# KiCad board poly_kb_wave_left.kicad_pcb (continued)
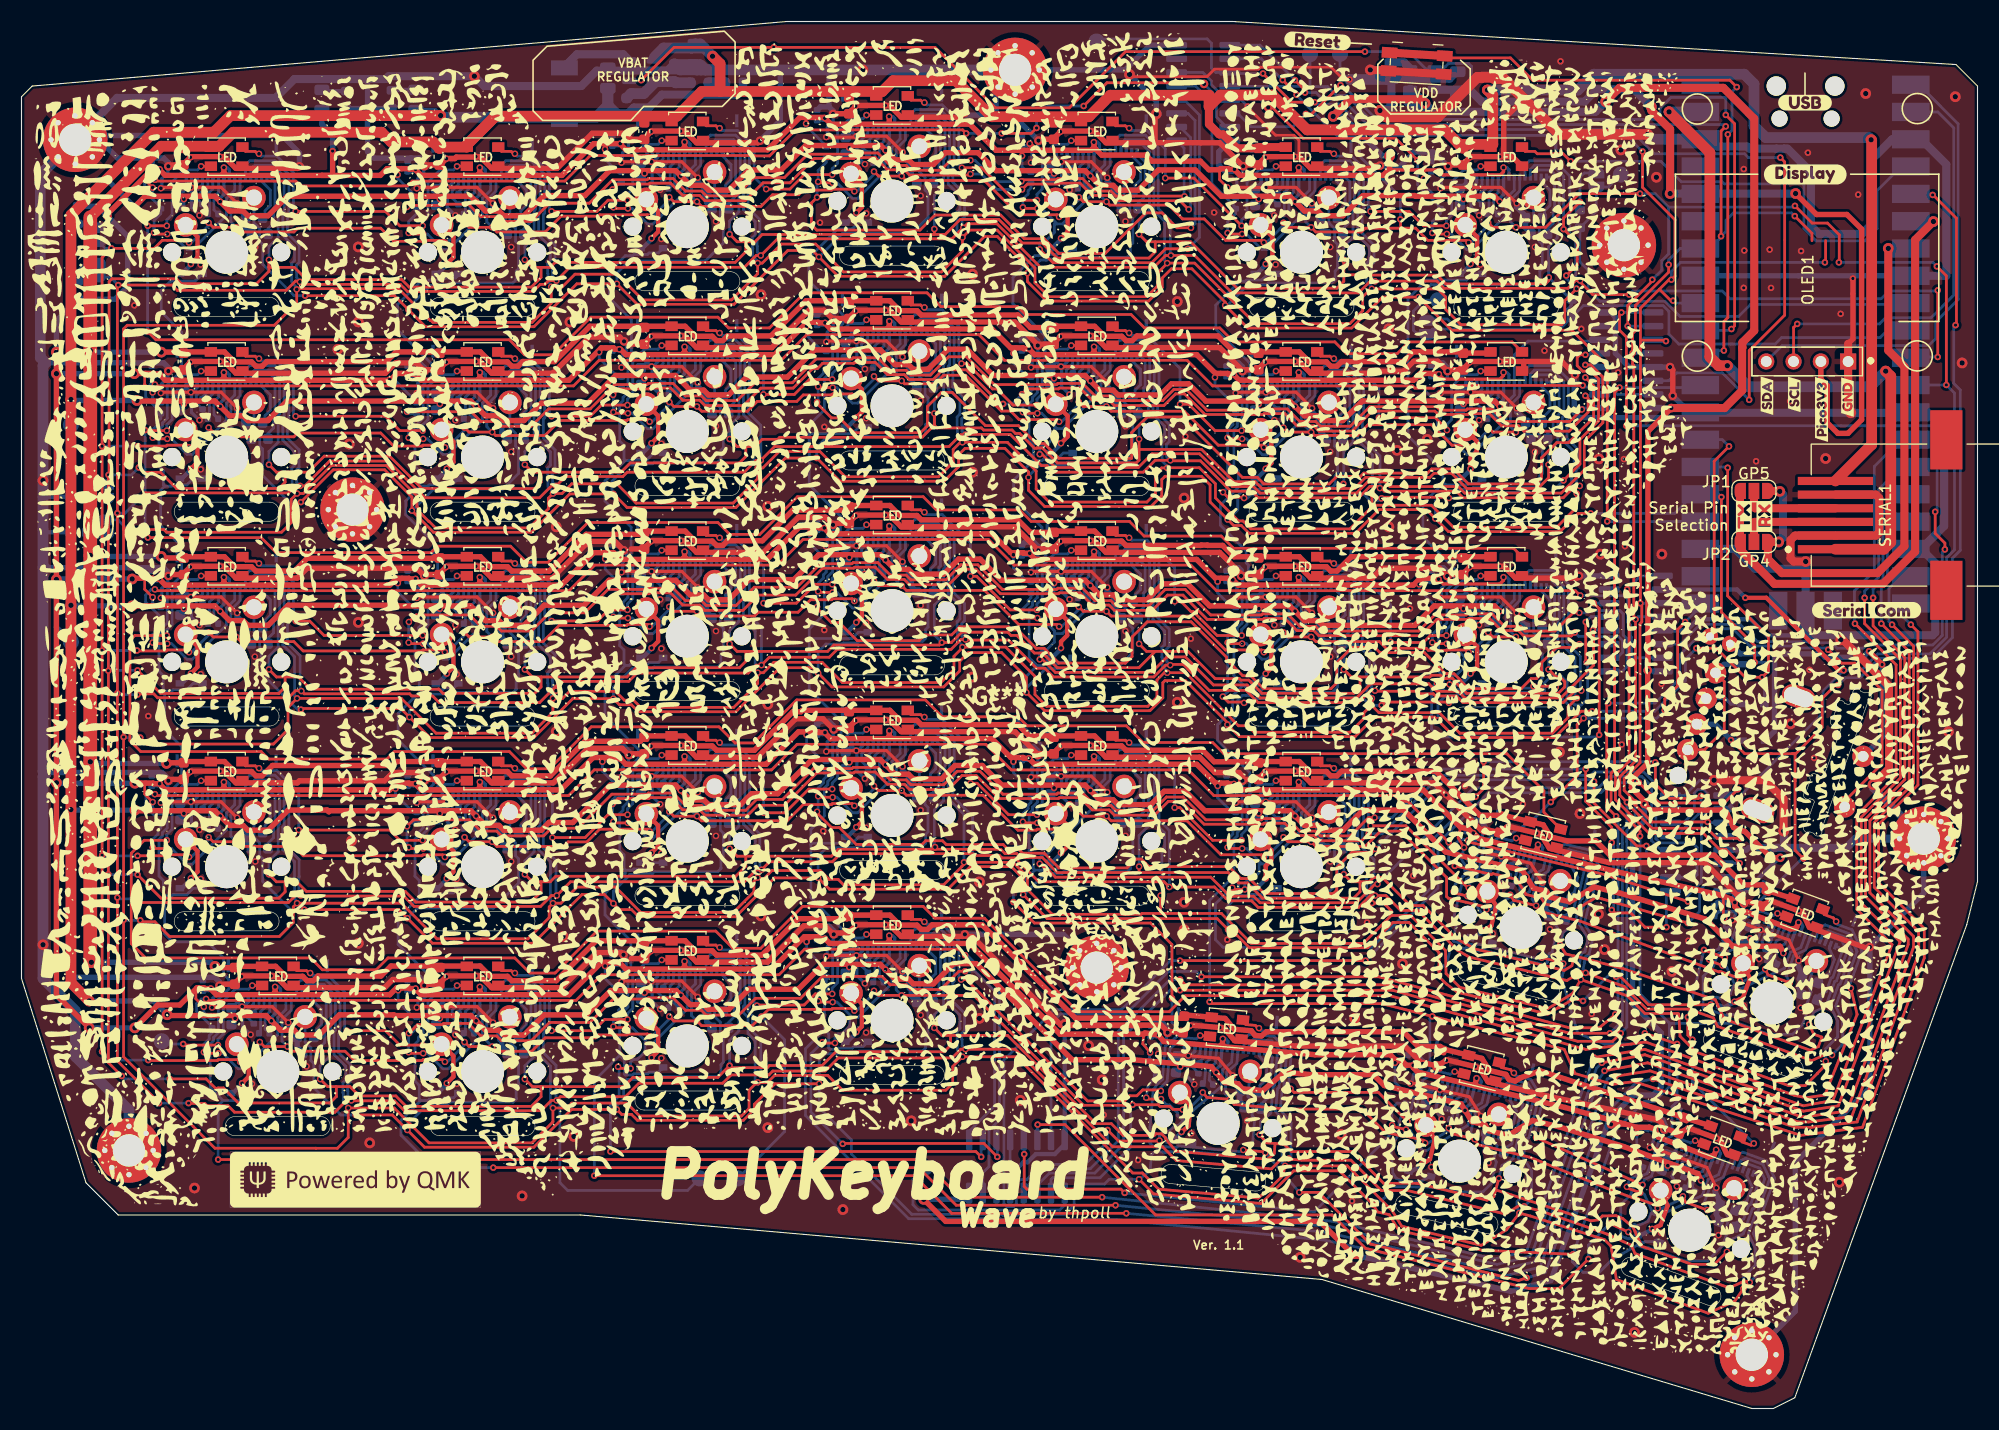
[diagram p0: board, top side]
## Routing (per net, layer and track width the routed paths; a pad name or vN(x,y) marks a point on that pad's centre or on a via; arc(x,y) is an arc through that point) (continued)
I2C_SCK: length 40.4
  Top w0.254: v4(165.22,100.88) 164.88,100.54 OLED1.3
  Bottom w0.254: v4(165.22,100.88) 172.89,100.88 173.45,101.45 177.68,101.45 179.79,103.56 179.79,119.11 178.31,120.59 U1.2
I2C_SDA: length 44.4
  Top w0.254: 162.34,97.85 162.4,97.9
  Bottom w0.254: U1.1 176.55,123.13 180.2,119.48 180.2,103.15 178.1,101.05 178.1,99.5 177.45,98.86 163.82,98.86 OLED1.4
LED_ARR_START: length 46.3
  Top w0.254: 139.52,117.32 139.91,116.92 140.81,116.92 141.03,116.7 143.44,116.7 v4(144.14,116)
  Bottom w0.25: U1.4 172.65,113.27 172.65,109.73 171.52,108.6 166.98,108.6 165.85,109.73 165.85,113.77 165.72,113.9 158.43,113.9 158.24,114.1 154.44,114.1 152.54,116 v4(144.14,116)
PICO_3V3: length 165.2
  Top w0.254: 70,126.6 60.72,126.6 v4(57.66,123.54) ; 70,126.6 85,126.6 90.63,120.97 97.49,120.97 102.72,126.2 v4(125,126.2) ; 70,126.6 v4(70,126.6)
  Top w0.5: v1(165.07,113) 167.02,111.05 169.85,111.05 171.22,109.69 171.22,91.97 169.95,90.7 169.01,90.7 168.02,91.68 168.02,95.13 167.42,95.73 OLED1.2
  Top w0.75: v1(153.4,113) 153.4,118.98 151.65,120.73 v1(151.65,121.06)
  Bottom w0.254: 134.75,122.66 134.91,122.81 134.91,124.84 134.64,125.11 132.8,125.11 132.27,124.58 130.68,124.58 129.06,126.2 v4(125,126.2) ; U2.1 57.6,123.48 v4(57.66,123.54)
  Bottom w0.75: 131.48,122.66 134.75,122.66 135.86,121.55 145.45,121.55 146.6,122.7 150.01,122.7 v1(151.65,121.06) ; 165.05,113 165.15,113.1 165.07,113.02 v1(165.07,113) 165.07,113 v1(153.4,113)
RESET: length 1252.1
  Top w0.25: v4(7.5,33.2) v4(7.5,70.5) v4(7.5,89.5) 7.5,107.05 8.35,107.9 12.35,107.9 13.1,108.65 13.55,108.65
  Top w0.254: v3(79.32,96) 79.75,95.57 v3(81.9,95.57) 82.17,95.3 85,95.3 85.8,96.1 87.84,96.1 91.17,92.77 92.03,92.77 92.82,91.98 96.34,91.98 v3(96.55,91.78) ; v3(117.42,91.24) 117.85,90.81 v3(120,90.81) 120.31,90.5 124.3,90.5 125.3,91.5 131.19,91.5 133.09,89.6 134.44,89.6 v3(134.65,89.39) ; v4(149.45,100.67) 149.45,102.58 151.74,104.86 v4(151.74,104.99) ; v3(108.06,27.8) 108.03,27.82 107.13,27.82 106.85,28.1 105.92,28.1 105.78,28.25 v4(103.38,28.25) 103.33,28.2 98.83,28.2 88.6,38.42 v3(81.9,38.42) 79.75,38.42 v3(79.32,38.85) ; v3(115.6,108.44) 115.39,108.65 112.04,108.65 110.05,110.64 108.03,110.64 106.74,111.93 101.27,111.93 v3(100.95,112.24) 98.8,112.24 v3(98.37,112.67) ; v3(77.5,75.11) 77.29,75.31 75.46,75.31 75.37,75.22 73.42,75.22 72.25,74.06 68.56,74.06 68.21,73.71 63.29,73.71 v3(62.85,74.14) 60.7,74.14 v3(60.27,74.57) ; v3(60.27,93.62) 60.7,93.19 v3(62.85,93.19) 63.29,92.76 67.54,92.76 68.45,93.66 72.14,93.66 72.74,94.27 75.37,94.27 75.46,94.36 77.29,94.36 v3(77.5,94.16) ; 128.32,109.78 128.32,110.58 v4(128.3,110.6) ; 128.32,109.78 125.03,109.78 124.67,109.43 120.44,109.43 v3(120,109.86) 117.85,109.86 v3(117.42,110.29) ; 128.32,109.78 129.72,109.78 130.85,108.65 134.44,108.65 v3(134.65,108.44) ; v3(152.24,18.63) 152.12,18.89 150.4,19.52 150.28,19.46 147.82,20.36 140.32,23.38 135.54,24.53 v3(135.22,25.05) 133.12,25.55 v3(132.81,26.06) ; v3(130.6,24.7) 130.45,24.95 128.67,25.37 128.56,25.31 126.86,25.72 124.73,27.85 117.74,27.85 112.84,28.28 v3(112.44,28.75) 110.3,28.94 v3(109.91,29.4) ; v3(60.27,55.52) 60.7,55.09 v3(62.85,55.09) 63.29,54.66 71.23,54.66 72.74,56.17 75.37,56.17 75.46,56.26 77.29,56.26 v3(77.5,56.06) ; v4(11.8,32.4) 11.84,32.36 18.22,32.36 18.31,32.45 20.14,32.45 v3(20.35,32.24) ; v3(79.32,76.95) 79.75,76.52 v3(81.9,76.52) 82.34,76.09 89.61,76.09 92.77,72.93 96.34,72.93 v3(96.55,72.73) ; v3(17.41,72.19) 17.83,71.76 v3(19.99,71.76) 20.43,71.33 25.34,71.33 26.21,70.46 37.27,70.46 37.36,70.55 39.19,70.55 v3(39.4,70.34) ; v3(156.87,18.45) 154.84,19.19 v3(154.59,19.73) ; v3(117.42,72.19) 117.85,71.76 v3(120,71.76) 120.44,71.33 126.35,71.33 126.97,70.71 130.71,70.71 130.9,70.52 132.58,70.52 132.61,70.55 134.44,70.55 v3(134.65,70.34) ; 13.55,108.65 15.38,108.65 v3(15.58,108.44) ; v4(178.22,106.23) 179.1,105.35 v4(179.1,95.2) ; v3(117.42,53.14) 117.85,52.71 v3(120,52.71) 120.44,52.28 125.02,52.28 126.45,53.7 128.3,53.7 132.6,49.4 132.6,47.62 132.76,47.46 134.39,47.09 136.16,46.66 v3(136.32,46.42) ; v4(165.02,111.85) 166.62,110.25 168.05,110.25 169.14,109.16 169.14,106.64 v4(169.1,106.6) ; v3(79.32,57.9) 79.75,57.47 v3(81.9,57.47) 82.34,57.04 89.46,57.04 92.71,53.79 94.42,53.79 94.51,53.88 96.34,53.88 v3(96.55,53.68) ; v3(41.22,53.14) 41.65,52.71 v3(43.8,52.71) 44.24,52.28 50.45,52.28 50.87,52.7 52.61,52.7 53.8,53.88 58.24,53.88 v3(58.45,53.68) ; v3(159.9,39.77) 159.78,40.03 158.06,40.66 157.94,40.6 155.47,41.5 144.99,45.34 141.25,46.24 v3(140.93,46.77) 138.84,47.27 v3(138.52,47.78) ; v4(150.6,112.99) 144.94,112.99 141.82,109.86 v3(139.05,109.86) 136.9,109.86 v3(136.47,110.29) ; v4(10.75,70.5) 10.79,70.46 13.46,70.46 13.55,70.55 15.38,70.55 v3(15.58,70.34) ; v3(98.37,74.57) 98.8,74.14 v3(100.95,74.14) 101.39,73.71 108.87,73.71 112.03,70.55 115.39,70.55 v3(115.6,70.34) ; v3(115.6,51.29) 115.39,51.5 111.6,51.5 108.44,54.66 101.39,54.66 v3(100.95,55.09) 98.8,55.09 v3(98.37,55.52) ; v3(136.47,72.19) 136.9,71.76 v3(139.05,71.76) ; v3(39.4,108.44) 39.19,108.65 37.36,108.65 37.27,108.56 34.64,108.56 33.43,109.78 25.79,109.78 25.74,109.73 25.64,109.73 25.34,109.43 20.43,109.43 v3(19.99,109.86) 17.83,109.86 v3(17.41,110.29) ; v3(41.22,91.24) 41.65,90.81 v3(43.8,90.81) 44.11,90.5 48.7,90.5 50.09,91.89 56.32,91.89 56.41,91.98 58.24,91.98 v3(58.45,91.78) ; v3(41.22,72.19) 41.65,71.76 v3(43.8,71.76) 44.24,71.33 48.52,71.33 50.04,72.84 56.32,72.84 56.41,72.93 58.24,72.93 v3(58.45,72.73) ; v3(139.05,90.81) 136.9,90.81 v3(136.47,91.24) ; v3(60.27,36.47) 60.7,36.04 v3(62.85,36.04) 63.29,35.61 67.99,35.61 v4(68.84,36.46) 69.51,37.12 75.37,37.12 75.46,37.21 77.29,37.21 v3(77.5,37.01) ; v4(10.8,51.4) 10.8,51.41 13.46,51.41 13.55,51.5 15.38,51.5 v3(15.58,51.29) ; v4(118.64,122.19) 118.64,122.26 v4(117.35,123.56) ; v3(41.22,34.09) 41.65,33.66 v3(43.8,33.66) 44.24,33.23 47.47,33.23 48.72,34.47 53.43,34.47 53.69,34.74 56.32,34.74 56.41,34.83 58.24,34.83 v3(58.45,34.63) ; v3(41.22,110.29) 41.65,109.86 v3(43.8,109.86) 44.24,109.43 48.72,109.43 50.19,110.9 53.67,110.9 53.8,111.03 58.24,111.03 v3(58.45,110.83) ; v3(98.37,93.62) 98.8,93.19 v3(100.95,93.19) 101.39,92.76 108.19,92.76 111.35,89.6 115.39,89.6 v3(115.6,89.39) ; v3(15.58,89.39) 15.38,89.6 13.55,89.6 13.46,89.51 v4(10.83,89.51) ; v3(39.4,89.39) 39.19,89.6 37.36,89.6 37.27,89.51 34.64,89.51 33.43,90.73 25.79,90.73 25.74,90.68 25.64,90.68 25.34,90.38 20.43,90.38 v3(19.99,90.81) 17.83,90.81 v3(17.41,91.24) ; v3(77.5,113.21) 77.29,113.41 75.46,113.41 75.37,113.32 72.74,113.32 72.31,112.89 69.88,112.89 68.8,111.81 63.29,111.81 v3(62.85,112.24) 60.7,112.24 v3(60.27,112.67) ; v3(164.52,39.59) 162.5,40.33 v3(162.25,40.87) ; v3(17.41,53.14) 17.83,52.71 v3(19.99,52.71) 20.43,52.28 25.34,52.28 26.21,51.41 37.27,51.41 37.36,51.5 39.19,51.5 v3(39.4,51.29) ; v3(96.55,110.83) 96.34,111.03 92.77,111.03 89.58,114.22 82.31,114.22 v3(81.9,114.62) 79.75,114.62 v3(79.32,115.05) ; v3(22.17,34.09) 22.6,33.66 v3(24.75,33.66) 25.19,33.23 30.11,33.23 30.97,32.36 37.27,32.36 37.36,32.45 39.19,32.45 v3(39.4,32.24)
  Top w0.4: v4(169.55,68.65) 169.1,68.65 162.35,75.4 v4(160.4,75.4)
  Bottom w0.25: v4(7.5,89.5) 10.82,89.5 v4(10.83,89.51)
  Bottom w0.254: v3(79.32,76.95) 79.32,76.7 77.73,75.11 v3(77.5,75.11) ; v3(139.05,71.76) 138.54,72.27 138.54,74.28 139.4,75.14 CONN21.11 ; v3(115.6,51.29) 115.83,51.29 117.42,52.89 v3(117.42,53.14) ; v3(43.8,71.76) 43.29,72.27 43.29,74.28 44.15,75.14 CONN16.11 ; CONN36.11 166.01,42.65 164.91,42.13 164.22,40.25 v3(164.52,39.59) ; 153.25,111.75 153.25,107.39 152.63,106.77 152.63,105.88 v4(151.74,104.99) ; 153.25,111.75 153.26,111.74 164.9,111.74 v4(165.02,111.85) ; 153.25,111.75 152.01,112.99 v4(150.6,112.99) ; v3(39.4,108.44) 39.63,108.44 41.22,110.04 v3(41.22,110.29) ; v4(169.1,106.6) 177.85,106.6 v4(178.22,106.23) ; v3(39.4,32.24) 39.63,32.24 41.22,33.84 v3(41.22,34.09) ; v3(60.27,74.57) 60.27,74.32 58.68,72.73 v3(58.45,72.73) ; v3(98.37,74.57) 98.37,74.32 96.78,72.73 v3(96.55,72.73) ; v4(8.36,107.91) 8.35,107.9 7.8,107.9 7.09,108.61 7.09,108.78 ; v3(152.24,18.63) 152.46,18.55 154.5,19.5 v3(154.59,19.73) ; v3(135.22,25.05) 134.84,25.67 135.31,27.62 136.34,28.25 CONN34.11 ; CONN24.11 63.2,58.47 62.34,57.61 62.34,55.6 v3(62.85,55.09) ; v3(100.95,55.09) 100.44,55.6 100.44,57.61 101.3,58.47 CONN26.11 ; CONN23.11 44.15,56.09 43.29,55.23 43.29,53.22 v3(43.8,52.71) ; v3(120,52.71) 119.49,53.22 119.49,55.23 120.35,56.09 CONN27.11 ; v3(43.8,109.86) 43.29,110.37 43.29,112.38 44.15,113.24 CONN2.11 ; v3(20.35,32.24) 20.58,32.24 22.17,33.84 v3(22.17,34.09) ; CONN8.11 20.34,94.19 19.48,93.33 19.48,91.32 v3(19.99,90.81) ; v3(62.85,112.24) 62.34,112.75 62.34,114.76 63.2,115.62 CONN3.11 ; v3(79.32,57.9) 79.32,57.65 77.73,56.06 v3(77.5,56.06) ; CONN30.11 44.15,37.04 43.29,36.18 43.29,34.17 v3(43.8,33.66) ; v3(139.05,109.86) 138.54,110.37 138.54,112.38 139.4,113.24 CONN7.11 ; v3(15.58,51.29) 15.81,51.29 17.41,52.89 v3(17.41,53.14) ; v3(60.27,55.52) 60.27,55.27 58.68,53.68 v3(58.45,53.68) ; v4(7.5,51.45) 7.55,51.4 v4(10.8,51.4) ; v3(130.6,24.7) 130.82,24.65 132.75,25.83 v3(132.81,26.06) ; v4(10.75,70.5) v4(7.5,70.5) ; v3(96.55,53.68) 96.78,53.68 98.37,55.27 v3(98.37,55.52) ; v3(117.42,72.19) 117.42,71.94 115.83,70.34 v3(115.6,70.34) ; v4(118.64,122.19) 118.64,122.15 122.52,118.27 124.14,118.27 124.48,117.92 124.48,116.49 128.3,112.67 v4(128.3,110.6) ; v3(24.75,33.66) 24.24,34.17 24.24,36.18 25.1,37.04 CONN29.11 ; v4(11.8,32.4) 8.3,32.4 v4(7.5,33.2) ; v3(81.9,95.57) 81.39,96.08 81.39,98.09 82.25,98.95 CONN11.11 ; 158.38,55.76 158.7,55.76 159.47,56.53 ; v3(58.45,34.63) 58.68,34.63 60.27,36.22 v3(60.27,36.47) ; v3(136.47,91.24) 136.47,90.99 134.88,89.39 v3(134.65,89.39) ; v3(58.45,110.83) 58.68,110.83 60.27,112.42 v3(60.27,112.67) ; v3(96.55,110.83) 96.78,110.83 98.37,112.42 v3(98.37,112.67) ; v3(100.95,74.14) 100.44,74.65 100.44,76.66 101.3,77.52 CONN19.11 ; v3(62.85,93.19) 62.34,93.7 62.34,95.71 63.2,96.57 CONN10.11 ; v3(100.95,93.19) 100.44,93.7 100.44,95.71 101.3,96.57 CONN12.11 ; v3(81.9,114.62) 81.39,115.13 81.39,117.14 82.25,118 CONN4.11 ; v3(41.22,91.24) 41.22,90.99 39.63,89.39 v3(39.4,89.39) ; v3(19.99,109.86) 19.48,110.37 19.48,112.38 20.34,113.24 CONN1.11 ; v3(140.93,46.77) 140.55,47.38 141.02,49.33 142.06,49.97 CONN28.11 ; v3(81.9,38.42) 81.39,38.93 81.39,40.94 82.25,41.8 CONN32.11 ; v3(156.87,18.45) 156.56,19.11 157.25,20.99 158.35,21.51 CONN35.11 ; CONN22.11 20.34,56.09 19.48,55.23 19.48,53.22 v3(19.99,52.71) ; CONN9.11 44.15,94.19 43.29,93.33 43.29,91.32 v3(43.8,90.81) ; v3(96.55,91.78) 96.78,91.78 98.37,93.37 v3(98.37,93.62) ; v4(117.35,123.56) 115.37,125.54 U4.10 ; v3(17.41,72.19) 17.41,71.94 15.81,70.34 v3(15.58,70.34) ; v4(103.38,28.25) 103.21,28.08 103.21,24.31 100.35,21.46 95.95,21.46 95.8,21.3 U8.10 ; v3(77.5,113.21) 77.73,113.21 79.32,114.8 v3(79.32,115.05) ; v3(112.44,28.75) 111.98,29.3 112.16,31.3 113.09,32.08 CONN33.11 ; v3(41.22,72.19) 41.22,71.94 39.63,70.34 v3(39.4,70.34) ; v3(159.9,39.77) 160.12,39.69 162.16,40.64 v3(162.25,40.87) ; v3(79.32,96) 79.32,95.75 77.73,94.16 v3(77.5,94.16) ; U1.12 174.9,95.2 v4(179.1,95.2) 179.86,94.44 179.86,79.86 179.13,79.13 179.13,71.73 177.58,70.18 172.72,70.18 171.19,68.65 v4(169.55,68.65) 167.63,66.73 167.63,64.69 159.53,56.59 ; v3(120,71.76) 119.49,72.27 119.49,74.28 120.35,75.14 CONN20.11 ; v3(19.99,71.76) 19.48,72.27 19.48,74.28 20.34,75.14 CONN15.11 ; v3(108.06,27.8) 108.54,27.8 109.89,29.15 v3(109.91,29.4) ; v4(149.45,100.67) 151.8,100.67 ; v3(115.6,89.39) 115.83,89.39 117.42,90.99 v3(117.42,91.24) ; v3(17.41,91.24) 17.41,90.99 15.81,89.39 v3(15.58,89.39) ; v3(136.47,72.19) 136.47,71.94 134.88,70.34 v3(134.65,70.34) ; CONN17.11 63.2,77.52 62.34,76.66 62.34,74.65 v3(62.85,74.14) ; v3(81.9,57.47) 81.39,57.98 81.39,59.99 82.25,60.85 CONN25.11 ; v3(120,109.86) 119.49,110.37 119.49,112.38 120.35,113.24 CONN6.11 ; v3(41.22,53.14) 41.22,52.89 39.63,51.29 v3(39.4,51.29) ; v3(81.9,76.52) 81.39,77.03 81.39,79.04 82.25,79.9 CONN18.11 ; v3(17.41,110.29) 17.41,110.04 15.81,108.44 v3(15.58,108.44) ; v3(100.95,112.24) 100.44,112.75 100.44,114.76 101.3,115.62 CONN5.11 ; v3(62.85,36.04) 62.34,36.55 62.34,38.56 63.2,39.42 CONN31.11 ; v3(139.05,90.81) 138.54,91.32 138.54,93.33 139.4,94.19 CONN14.11 ; v3(117.42,110.29) 117.42,110.04 115.83,108.44 v3(115.6,108.44) ; v3(136.32,46.42) 136.54,46.36 138.47,47.54 v3(138.52,47.78) ; v3(120,90.81) 119.49,91.32 119.49,93.33 120.35,94.19 CONN13.11 ; v3(58.45,91.78) 58.68,91.78 60.27,93.37 v3(60.27,93.62) ; v3(79.32,38.85) 79.32,38.6 77.73,37.01 v3(77.5,37.01) ; v3(134.65,108.44) 134.88,108.44 136.47,110.04 v3(136.47,110.29) ; TP12.1 71,25.75 71,34.3 v4(68.84,36.46)
  Bottom w0.4: U6.10 159.63,76.17 v4(160.4,75.4)
Row1: length 294.8
  Top w0.254: v4(26.4,103.5) 34.7,103.5 v3(36,102.2) 37.59,100.62 47.69,100.62 51.67,104.6 v3(55.4,104.6) 57.3,102.7 66.3,102.7 71.3,107.7 73.6,107.7 v3(74.2,107.1) 76,105.3 85.9,105.3 89.6,109 90.8,109 93.6,106.21 v3(93.6,105.6) 93.6,104.81 95.41,103 104.87,103 106.14,104.27 106.14,105.14 107,106 108.9,106 112,102.9 v3(112,102.6) 114.11,100.49 123.76,100.49 126.64,103.37 v3(129.99,103.37) 133.07,100.29 144.25,100.29 147.55,96.99 v4(147.55,82.51)
  Bottom w0.254: 114.37,104.43 114.38,104.44 ; 114.37,104.43 114.47,104.43 114.58,104.54 115.88,104.54 116.03,104.69 121.94,104.69 122.22,104.98 122.22,105.02 122.23,105.02 122.23,105.04 122.23,105.04 122.23,105.79 122.45,106.02 122.45,108.28 122.18,108.56 122.18,109.74 121.64,110.28 SW_K_6.1 ; 114.37,104.43 114.03,104.43 112.2,102.6 v3(112,102.6) ; SW_K_2.1 45.44,110.28 45.98,109.74 45.98,108.56 46.25,108.28 46.25,106.02 46.03,105.79 46.03,105.04 46.03,105.04 46.03,105.02 46.02,105.02 46.02,104.98 45.74,104.69 39.83,104.69 39.68,104.54 38.38,104.54 38.27,104.43 38.17,104.43 ; v3(93.6,105.6) 94.81,106.82 95.32,106.82 ; 134.16,104.54 131.16,104.54 v3(129.99,103.37) ; 134.16,104.54 140.84,104.54 141.27,104.98 141.27,105.02 141.28,105.02 141.28,105.04 141.28,105.04 141.28,105.79 141.5,106.02 141.5,108.28 141.22,108.56 141.22,109.74 140.69,110.28 SW_K_7.1 ; 134.16,104.54 133.62,104.54 ; 38.17,104.43 38.03,104.43 36,102.4 v3(36,102.2) ; 38.17,104.43 38.18,104.44 ; v4(26.4,103.5) 25.37,103.5 22.44,106.43 22.44,108.28 22.16,108.56 22.16,109.74 21.63,110.28 SW_K_1.1 ; SW_K_3.1 64.49,112.66 65.03,112.13 65.03,110.94 65.3,110.66 65.3,108.4 63.65,106.74 56.54,106.74 55.4,105.6 v3(55.4,104.6) ; SW_K_5.1 102.59,112.66 103.12,112.13 103.12,110.94 103.4,110.66 103.4,108.4 103.18,108.17 103.18,107.42 103.18,107.42 103.18,107.4 103.17,107.4 103.17,107.36 102.89,107.07 96.98,107.07 96.83,106.92 95.53,106.92 95.42,106.82 95.32,106.82 ; 95.32,106.82 95.33,106.82 ; SW_K_4.1 83.54,115.04 84.08,114.51 84.08,113.32 84.35,113.04 84.35,110.78 82.87,109.3 76.4,109.3 v3(74.2,107.1) ; 154,82.5 157.1,82.5 U1.24 147.57,82.49 v4(147.55,82.51)
Row2: length 301.6
  Top w0.254: v4(146,83.25) 144.85,83.25 143.15,81.56 132.77,81.56 v3(131.56,82.77) 130.72,83.6 126.32,83.6 124.12,81.4 114.22,81.4 113.5,82.12 112.79,82.12 v3(112.22,82.69) 110.6,84.31 110.6,85.9 109.8,86.7 106.4,86.7 106.1,86.4 106.1,84.9 105.1,83.9 95.2,83.9 93.7,85.4 v3(93.7,86.6) 93.7,87.1 91.5,89.3 87.8,89.3 87.2,88.7 87.2,87.6 85.85,86.25 76.15,86.25 v3(74,88.4) 71.08,88.4 66.48,83.8 56.34,83.8 v3(55.07,85.07) 51.02,85.07 47.45,81.5 38.33,81.5 36.33,83.49 v3(36.33,83.5) 36.33,84.77 33.8,87.3 29,87.3 v4(26,84.3) ; v4(158.17,84.77) 158.17,74.06 161.27,70.96 v4(161.27,69.4)
  Bottom w0.254: 57.22,87.77 57.03,87.77 57.03,87.76 56.82,87.76 56.81,87.76 56.48,87.76 54.95,86.23 54.95,85.2 v3(55.07,85.07) ; 57.22,87.77 57.23,87.77 ; 57.22,87.77 57.32,87.77 57.43,87.87 58.73,87.87 58.88,88.02 64.79,88.02 65.07,88.31 65.07,88.35 65.08,88.35 65.08,88.37 65.08,88.37 65.08,89.12 65.3,89.35 65.3,91.61 65.03,91.89 65.03,93.08 64.49,93.61 SW_K_10.1 ; v3(131.56,82.77) 131.56,84.39 132.53,85.37 133.28,85.37 133.3,85.38 133.42,85.38 ; 114.37,85.38 114.38,85.39 ; 114.37,85.38 114.18,85.38 114.18,85.38 113.97,85.38 113.96,85.38 113.63,85.38 113.17,84.92 113.17,83.58 112.28,82.69 v3(112.22,82.69) ; 114.37,85.38 114.47,85.38 114.58,85.49 115.88,85.49 116.03,85.64 121.94,85.64 122.22,85.93 122.22,85.97 122.23,85.97 122.23,85.99 122.23,85.99 122.23,86.74 122.45,86.97 122.45,89.23 122.18,89.51 122.18,90.69 121.64,91.23 SW_K_13.1 ; 133.42,85.38 133.52,85.38 133.62,85.49 134.93,85.49 135.08,85.64 140.99,85.64 141.27,85.93 141.27,85.97 141.28,85.97 141.28,85.99 141.28,85.99 141.28,86.74 141.5,86.97 141.5,89.23 141.22,89.51 141.22,90.69 140.69,91.23 SW_K_14.1 ; 133.42,85.38 133.43,85.39 ; v3(93.7,86.6) 93.7,86.7 94.76,87.77 97.12,87.77 97.38,88.02 102.89,88.02 103.17,88.31 103.17,88.35 103.18,88.35 103.18,88.37 103.18,88.37 103.18,89.12 103.4,89.35 103.4,91.61 103.12,91.89 103.12,93.08 102.59,93.61 SW_K_12.1 ; v3(36.33,83.5) 38.33,85.5 44.79,85.5 46.25,86.97 46.25,89.23 45.98,89.51 45.98,90.69 45.44,91.23 SW_K_9.1 ; v3(74,88.4) 74,89.4 74.74,90.15 76.27,90.15 ; 76.27,90.15 76.28,90.15 ; 76.27,90.15 76.37,90.15 76.47,90.25 77.78,90.25 77.93,90.41 83.84,90.41 84.12,90.69 84.12,90.73 84.13,90.73 84.13,90.75 84.13,90.75 84.13,91.51 84.35,91.73 84.35,93.99 84.08,94.27 84.08,95.46 83.54,95.99 SW_K_11.1 ; v4(146,83.25) 153.81,83.25 155.59,85.03 U1.25 157.91,85.03 v4(158.17,84.77) ; SW_K_8.1 21.63,91.23 22.16,90.69 22.16,89.51 22.44,89.23 22.44,86.78 24.92,84.3 v4(26,84.3) ; v4(161.27,69.4) 162.34,69.4 162.52,69.22
Row3: length 313.6
  Top w0.254: v4(155.85,70.71) 157.69,70.71 160.39,68.01 v4(161.96,68.01) 162.55,68.6 162.55,71.77 158.75,75.57 v4(158.75,87.5) ; v4(26,65) 26.1,65.1 35.3,65.1 v3(36.1,64.3) 38,62.4 47.67,62.4 51.29,66.02 v3(55.07,66.02) 55.64,65.46 56.75,65.46 57.41,64.8 66.47,64.8 70.57,68.9 73.62,68.9 v3(74.12,68.4) 75.41,67.11 85.81,67.11 87.3,68.6 87.3,69.5 88.1,70.3 91.2,70.3 93.5,68 v3(93.5,66.6) 95.2,64.9 105,64.9 106.2,66.1 106.2,67.5 106.4,67.7 108.3,67.7 112.2,63.8 v3(112.2,63.6) 113.31,62.49 124.09,62.49 125.9,64.3 131.5,64.3 v3(131.8,64) 133.4,62.4 142.65,62.4 145.05,64.8 145.05,64.8 145.1,64.85 v4(146.15,64.85)
  Bottom w0.254: v4(161.96,68.01) 162.18,67.79 162.18,66.08 162.17,66.07 D11.2 ; 133.43,66.34 133.42,66.33 133.52,66.33 133.62,66.44 134.93,66.44 135.08,66.59 140.99,66.59 141.27,66.88 141.27,66.92 141.28,66.92 141.28,66.94 141.28,66.94 141.28,67.69 141.5,67.92 141.5,70.18 141.22,70.46 141.22,71.64 140.69,72.18 SW_K_21.1 ; SW_K_18.1 83.54,76.94 84.08,76.41 84.08,75.22 84.35,74.94 84.35,72.68 84.13,72.46 84.13,71.7 84.13,71.7 84.13,71.68 84.12,71.68 84.12,71.64 83.84,71.36 77.93,71.36 77.78,71.2 76.47,71.2 76.37,71.1 76.27,71.1 ; v3(93.5,66.6) 93.5,67 95.31,68.82 101.92,68.82 103.4,70.3 103.4,72.56 103.12,72.84 103.12,74.03 102.59,74.56 SW_K_19.1 ; 114.37,66.33 114.47,66.33 114.58,66.44 115.88,66.44 116.03,66.59 121.94,66.59 122.45,67.1 122.45,70.18 122.18,70.46 122.18,71.64 121.64,72.18 SW_K_20.1 ; 114.37,66.33 114.18,66.33 114.18,66.33 113.97,66.33 113.96,66.33 113.63,66.33 113.17,65.87 113.17,64.53 112.24,63.6 v3(112.2,63.6) ; 114.37,66.33 114.38,66.34 ; SW_K_16.1 45.44,72.18 45.98,71.64 45.98,70.46 46.25,70.18 46.25,67.92 46.03,67.69 46.03,66.94 46.03,66.94 46.03,66.92 46.02,66.92 46.02,66.88 45.74,66.59 39.83,66.59 39.68,66.44 37.68,66.44 36.1,64.85 v3(36.1,64.3) ; SW_K_17.1 64.49,74.56 65.03,74.03 65.03,72.84 65.3,72.56 65.3,70.3 65.08,70.07 65.08,69.32 65.08,69.32 65.08,69.3 65.07,69.3 65.07,69.26 64.79,68.97 58.88,68.97 58.73,68.82 56.81,68.82 55.07,67.08 v3(55.07,66.02) ; v4(26,65) 25.7,65 22.3,68.4 22.3,70.32 22.16,70.46 22.16,71.64 21.63,72.18 SW_K_15.1 ; v4(146.15,64.85) 151.97,64.85 154.82,67.7 154.82,69.68 v4(155.85,70.71) ; 133.42,66.33 132.55,66.33 131.8,65.58 v3(131.8,64) ; v4(158.75,87.5) 158.68,87.57 U1.26 ; v3(74.12,68.4) 74.12,70.38 74.84,71.09 75.86,71.09 75.87,71.09 76.08,71.09 76.08,71.1 76.27,71.1 ; 76.27,71.1 76.28,71.1
Row4: length 359.9
  Top w0.254: v4(145.3,37.9) 145.2,38 144.98,38 144.45,38.13 143.04,37.27 142.99,37.28 142.01,36.69 133.61,38.71 132.58,39.48 131.9,40.17 v4(131.9,40.9) 131.9,42.4 129.1,45.2 127.6,45.2 125.24,42.85 114.26,42.85 113.09,44.02 112.79,44.02 v3(112.27,44.55) 111.25,45.56 95.44,45.56 v3(93.2,47.8) 93.2,49.3 92.1,50.4 88.29,50.4 86.2,48.3 75.17,48.3 v3(74.12,49.35) 70.07,49.35 66.45,45.73 57.43,45.73 56.75,46.41 55.64,46.41 v3(55.07,46.97) 54.24,47.8 52.15,47.8 47.63,43.28 38.23,43.28 v3(35.9,45.6) 35.1,46.4 v4(26.3,46.4) ; ENC1.S1 169.64,56.49 173.12,59.96 173.12,66.8 170.6,69.32 169.36,69.32 v4(168.11,70.57) ; ENC1.S1 157.5,72.2 157.5,88.11 v4(158.88,89.49) ; v4(148.37,55.08) 147.5,55.95 147.5,65.45 v4(147.65,65.6)
  Bottom w0.254: v4(158.88,89.49) 158.26,90.11 U1.27 ; 134.19,42.8 134.29,42.78 134.41,42.86 135.68,42.55 135.86,42.67 141.61,41.29 141.95,41.5 141.96,41.54 141.96,41.54 141.97,41.56 141.97,41.56 142.14,42.29 142.42,42.46 142.95,44.66 142.74,44.99 143.02,46.15 142.62,46.79 SW_K_28.1 ; 134.19,42.8 134.01,42.85 134,42.85 133.79,42.9 133.79,42.9 133.34,43.01 132.95,42.77 132.61,41.33 132.6,41.33 v4(131.9,40.9) ; 134.19,42.8 134.19,42.81 ; SW_K_25.1 83.54,57.89 84.08,57.36 84.08,56.17 84.35,55.89 84.35,53.63 84.13,53.41 84.13,52.65 84.13,52.65 84.13,52.63 84.12,52.63 84.12,52.59 83.84,52.31 77.93,52.31 77.78,52.15 74.9,52.15 74.12,51.38 v3(74.12,49.35) ; SW_K_23.1 45.44,53.13 45.98,52.59 45.98,51.41 46.25,51.13 46.25,48.87 43.92,46.54 36.83,46.54 v3(35.9,45.6) ; 114.37,47.28 114.18,47.28 114.18,47.28 113.97,47.28 113.96,47.28 112.78,47.28 112.27,46.77 v3(112.27,44.55) ; 114.37,47.28 114.38,47.29 ; 114.37,47.28 114.47,47.28 114.58,47.39 115.88,47.39 116.03,47.54 121.13,47.54 122.45,48.87 122.45,51.13 122.18,51.41 122.18,52.59 121.64,53.13 SW_K_27.1 ; SW_K_24.1 64.49,55.51 65.03,54.98 65.03,53.79 65.3,53.51 65.3,51.25 65.08,51.02 65.08,50.27 65.08,50.27 65.08,50.25 65.07,50.25 65.07,50.21 64.79,49.92 58.88,49.92 58.73,49.77 57.43,49.77 57.32,49.67 57.22,49.67 ; 57.22,49.67 57.03,49.67 57.03,49.66 56.82,49.66 56.81,49.66 56.59,49.66 56.59,49.62 55.07,48.11 v3(55.07,46.97) ; 57.22,49.67 57.23,49.67 ; v4(145.3,37.9) 148.55,41.16 148.55,52.38 148.55,52.38 148.55,54.9 v4(148.37,55.08) ; v3(93.2,47.8) 93.3,47.8 95.26,49.77 96.83,49.77 96.98,49.92 102.89,49.92 103.17,50.21 103.17,50.25 103.18,50.25 103.18,50.27 103.18,50.27 103.18,51.02 103.4,51.25 103.4,53.51 103.12,53.79 103.12,54.98 102.59,55.51 SW_K_26.1 ; v4(168.11,70.57) 167.95,70.73 165.3,70.73 165.12,70.91 160.85,70.91 159.24,72.52 157.83,72.52 157.11,71.81 ENC1.S1 156.02,71.81 154.3,70.08 154.3,67.9 152,65.6 v4(147.65,65.6) ; SW_K_22.1 21.63,53.13 22.16,52.59 22.16,51.41 22.44,51.13 22.44,49.01 25.05,46.4 v4(26.3,46.4)
Row5: length 381.1
  Top w0.254: v3(74.23,30.2) 70.09,30.2 68.19,28.29 68.19,27.82 67.17,26.8 57.31,26.8 56.75,27.36 55.84,27.36 v3(55.38,27.82) 51.19,27.82 47.67,24.3 37.5,24.3 v3(35.9,25.9) 34.5,27.3 v4(31.1,27.3) ; v4(144.36,14.34) 135.89,14.72 128.15,16.58 127.26,18.03 126.17,18.29 v3(125.76,18.97) 122.62,22.1 118.37,22.1 115.33,19.06 105.35,19.96 v3(103.99,21.32) ; v4(150.6,53.23) 150.6,53.71 147.9,56.4 147.9,59.09 148.23,59.42 148.23,94.5 v4(148.69,94.96)
  Bottom w0.254: SW_K_29.1 26.39,34.08 26.93,33.54 26.93,32.36 27.2,32.08 27.2,29.82 29.72,27.3 v4(31.1,27.3) ; SW_K_31.1 64.49,36.46 65.03,35.93 65.03,34.74 65.3,34.46 65.3,32.2 65.08,31.97 65.08,31.22 65.08,31.22 65.08,31.2 65.07,31.2 65.07,31.16 64.79,30.87 58.88,30.87 58.73,30.72 57.43,30.72 57.32,30.62 57.22,30.62 ; 153.51,35.82 159.46,35.82 159.47,35.81 159.81,35.81 162.55,34.81 164.8,34.81 165.73,35.73 166.29,37.27 166.12,37.63 166.53,38.74 166.21,39.42 SW_K_36.1 ; 153.51,35.82 153.49,35.84 153.33,35.84 ; 153.51,35.82 153.33,35.63 ; 106.36,23.83 106.46,23.82 106.57,23.92 107.87,23.81 108.04,23.95 113.93,23.43 114.23,23.69 114.24,23.73 114.24,23.75 114.24,23.75 114.31,24.5 114.55,24.71 114.75,26.96 114.5,27.26 114.6,28.44 114.11,29.02 SW_K_33.1 ; 106.36,23.83 106.18,23.85 106.17,23.85 105.96,23.87 105.49,23.91 105.14,23.61 105.01,22.14 105.01,22.14 104.2,21.47 104.05,21.32 v3(103.99,21.32) 101.21,21.32 100.77,20.88 98.62,20.88 97.95,20.2 97.95,18.91 97.09,18.06 92.73,18.06 92.65,17.98 91.32,17.98 91.24,18.06 82.84,18.06 77.22,23.68 77.22,24.98 74.23,27.98 v3(74.23,30.2) 74.23,32.73 74.49,32.99 75.86,32.99 75.87,32.99 76.08,32.99 76.08,33 76.27,33 ; 106.36,23.83 106.37,23.84 ; 38.17,28.23 38.27,28.23 38.38,28.34 39.68,28.34 39.83,28.49 45.74,28.49 46.02,28.78 46.02,28.82 46.03,28.82 46.03,28.84 46.03,28.84 46.03,29.59 46.25,29.82 46.25,32.08 45.98,32.36 45.98,33.54 45.44,34.08 SW_K_30.1 ; 38.17,28.23 37.73,28.23 35.9,26.4 v3(35.9,25.9) ; 38.17,28.23 38.18,28.24 ; SW_K_35.1 158.55,18.29 158.87,17.6 158.46,16.49 158.63,16.13 158.27,15.13 156.86,13.73 154.73,13.73 151.37,14.95 151.17,14.86 150.32,15.17 147.98,13.83 146.8,12.65 145.3,12.65 144.3,13.65 144.3,14.15 v4(144.36,14.34) 148.47,26.03 148.47,26.03 151,28.55 151.95,28.55 153.33,29.93 153.33,35.63 ; SW_K_34.1 136.91,25.07 137.3,24.43 137.02,23.28 137.23,22.94 136.74,20.91 135.98,20.15 133.51,20.15 131.76,20.56 127.14,20.66 126.89,19.62 126.89,19.62 125.81,18.95 v3(125.76,18.97) ; 76.27,33 76.28,33 ; 76.27,33 76.37,33 76.47,33.1 77.78,33.1 77.93,33.26 83.84,33.26 84.12,33.54 84.12,33.58 84.13,33.58 84.13,33.6 84.13,33.6 84.13,34.36 84.35,34.58 84.35,36.84 84.08,37.12 84.08,38.31 83.54,38.84 SW_K_32.1 ; 57.22,30.62 57.03,30.62 57.03,30.61 56.82,30.61 56.81,30.61 56.35,30.61 56.02,30.29 56.02,28.82 55.38,28.18 v3(55.38,27.82) ; 57.22,30.62 57.23,30.62 ; 153.33,35.63 153.33,35.84 ; U1.29 156.88,94.96 v4(148.69,94.96) ; 153.33,35.84 150.6,38.57 v4(150.6,53.23)